# Altium PCB Kit ELO_DEVMPDv1.PcbDoc (continued)
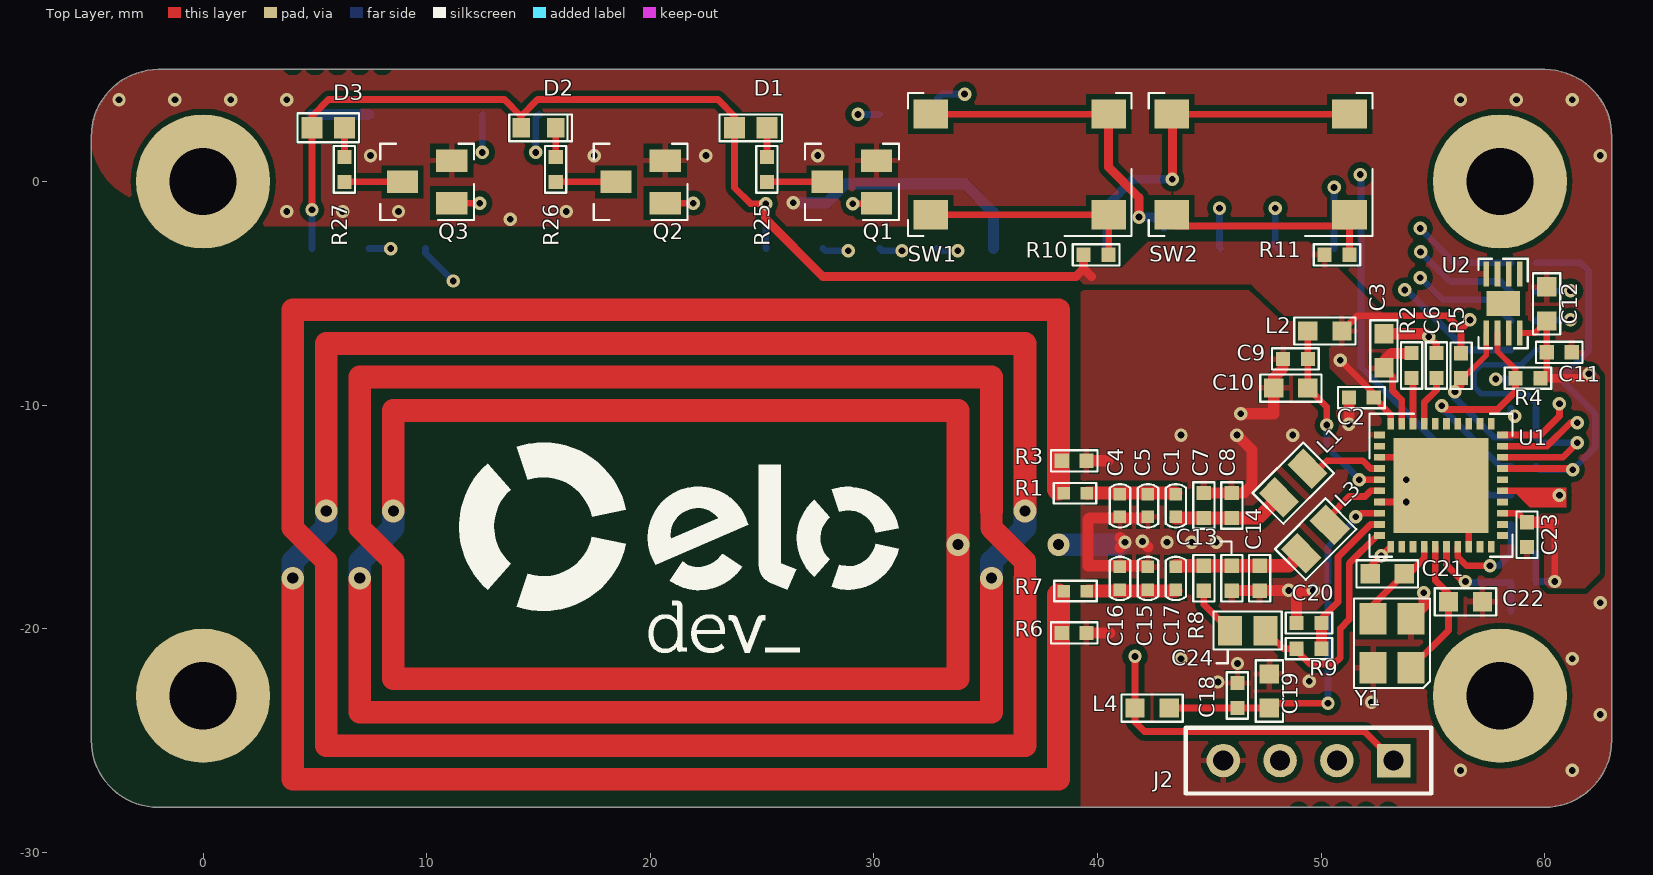
[diagram p0: Top Layer view]
## Part data (continued)
D2: library part "LED BLUE CLEAR 0603 SMD", "LED BLUE CLEAR 0603 SMD", Current - Test=5mA, Lens Color=Colorless, Manufacturer="Lite-On Inc.", Manufacturer Part Number=LTST-C193TBKT-5A, Millicandela Rating=15mcd, Package / Case="0603 (1608 Metric)", Supplier Part Number 1=160-1827-2-ND, Voltage - Forward (Vf) (Typ)=2.8V, Category=Optoelectronics, Color=Blue, ComponentLink1Description=http://optoelectronics.liteon.com/upload/download/DS22-2004-060/P_100_LTST-C193TBKT-5A.pdf, ComponentLink1URL=http://optoelectronics.liteon.com/upload/download/DS22-2004-060/P_100_LTST-C193TBKT-5A.pdf, Features=-, Height (Max)=0.35mm, Lens Style/Size="Rectangle with Flat Top, 1.15mm x 0.80mm", Lens Transparency=Clear, Mounting Type="Surface Mount", Packaging="Tape & Reel (TR)", Part Status=Active, Pricing 1="3000=0.0678, 6000=0.06102, 15000=0.05424, 30000=0.05085, 75000=0.04577, 150000=0.04407 (USD)", RoHS="RoHS Compliant", Size / Dimension="1.60mm L x 0.80mm W", Stock 1=705000, Supplier 1=Digi-Key, Viewing Angle=130°, Wavelength - Dominant=470nm, Wavelength - Peak=468nm
D3: library part "LED YELLOW CLEAR 0603 SMD(LTST-C191KSKT)", "LED YELLOW CLEAR 0603 SMD", Current - Test=20mA, Lens Color=Colorless, Manufacturer="Lite-On Inc.", Manufacturer Part Number=LTST-C191KSKT, Millicandela Rating=104mcd, Package / Case="0603 (1608 Metric)", Supplier Part Number 1=160-1448-2-ND, Voltage - Forward (Vf) (Typ)=2.1V, Category=Optoelectronics, Color=Yellow, ComponentLink1Description=http://optoelectronics.liteon.com/upload/download/DS22-2000-224/S_110_LTST-C191KSKT.pdf, ComponentLink1URL=http://optoelectronics.liteon.com/upload/download/DS22-2000-224/S_110_LTST-C191KSKT.pdf, Features=-, Height (Max)=0.55mm, Lens Style/Size="Rectangle with Flat Top, 1.10mm x 0.80mm", Lens Transparency=Clear, Mounting Type="Surface Mount", Packaging="Tape & Reel (TR)", Part Status=Active, Pricing 1="5000=0.043, 10000=0.0387, 25000=0.0344, 50000=0.03118, 125000=0.02903 (USD)", RoHS="RoHS Compliant", Size / Dimension="1.60mm L x 0.80mm W", Stock 1=555000, Supplier 1=Digi-Key, Viewing Angle=130°, Wavelength - Dominant=591nm, Wavelength - Peak=588nm
J1: library part "CONN FEMALE 40POS DL .1\" TIN SMD", "CONN FEMALE 40POS DL .1\" TIN SMD", Current Rating=3A, Insulation Color=Black, Manufacturer="Sullins Connector Solutions", Material Flammability Rating="UL94 V-0", Operating Temperature="-40°C ~ 125°C", Supplier Part Number 1=S5690-ND, Voltage Rating=250V, Applications=-, Category="Connectors, Interconnects", ComponentLink1Description=https://drawings-pdf.s3.amazonaws.com/10488.pdf, ComponentLink1URL=https://drawings-pdf.s3.amazonaws.com/10488.pdf, Connector Type=Header, Contact Finish - Mating=Tin, Contact Finish - Post=Tin, Contact Finish Thickness - Mating=-, Contact Finish Thickness - Post=-, Contact Length - Post=-, Contact Material="Phosphor Bronze", Contact Shape=Square, Contact Type="Female Socket", Fastening Type=Push-Pull, Features=-, Ingress Protection=-, Insulation Height="0.299\" (7.60mm)", Insulation Material="Polyamide (PA6T), Nylon 6T", Manufacturer Part Number=NPTC202KFMS-RC, Mated Stacking Heights=-, Mounting Type="Surface Mount", Number of Positions=40, Number of Positions Loaded=All, Packaging=Tube, Part Status=Active, Pitch - Mating="0.100\" (2.54mm)", Pricing 1="1=3.52, 10=3.38, 100=2.817, 500=2.39446, 1000=2.04233 (USD)", RoHS="RoHS Compliant", Row Spacing - Mating="0.100\" (2.54mm)", Stock 1=1633, Style="Board to Board", Supplier 1=Digi-Key, Termination=Solder
J2: Color=Black, Manufacturer="Amphenol FCI", Manufacturer Part Number=68002-404HLF, Supplier Part Number 1=609-3305-ND, Category="Connectors, Interconnects", ComponentLink1Description=http://portal.fciconnect.com/Comergent//fci/drawing/68000.pdf, ComponentLink1URL=http://portal.fciconnect.com/Comergent//fci/drawing/68000.pdf, Connector Type="Header, Unshrouded", Contact Finish=Tin, Contact Finish Thickness="100µin (2.54µm)", Contact Mating Length="0.230\" (5.84mm)", Contact Type="Male Pin", Fastening Type=-, Features=-, Mounting Type="Through Hole", Number of Positions=4, Number of Positions Loaded=All, Number of Rows=1, Packaging=Bulk, Part Status=Active, Pitch="0.100\" (2.54mm)", Pricing 1="1=0.2, 10=0.186, 100=0.129, 500=0.10912, 1000=0.08928, 5000=0.07936, 10000=0.07192 (USD)", RoHS="RoHS Compliant", Row Spacing=-, Stock 1=3220, Supplier 1=Digi-Key, Termination=Solder
L1 L3: library part "FIXED IND 560NH 240MA 3.1 OHM", "FIXED IND 560NH 240MA 3.1 OHM", DC Resistance (DCR)="3.1 Ohm Max", Manufacturer="Pulse Electronics Network", Manufacturer Part Number=PE-0805CM561JTT, Operating Temperature="-40°C ~ 125°C", Package / Case="0805 (2012 Metric)", Q @ Freq="40 @ 100MHz", Ratings=-, Supplier Part Number 1=553-1047-2-ND, Tolerance=±5%, Category="Inductors, Coils, Chokes", ComponentLink1Description=http://productfinder.pulseeng.com/products/datasheets/WC701.pdf, ComponentLink1URL=http://productfinder.pulseeng.com/products/datasheets/WC701.pdf, Height - Seated (Max)="0.062\" (1.58mm)", Inductance=560nH, Material - Core=Ceramic, Mounting Type="Surface Mount", Packaging="Tape & Reel (TR)", Part Status=Active, Pricing 1="2000=0.144, 4000=0.136, 6000=0.128, 10000=0.124, 50000=0.116 (USD)", RoHS="RoHS Compliant", Shielding=Unshielded, Size / Dimension="0.090\" L x 0.066\" W (2.29mm x 1.68mm)", Stock 1=2000, Supplier 1=Digi-Key, Supplier Device Package="0805 (2012 Metric)", Type=Wirewound
L2 L4: library part "FERRITE BEAD 120 OHM 0603 1LN", "FERRITE BEAD 120 OHM 0603 1LN", Current Rating (Max)=600mA, DC Resistance (DCR) (Max)="150 mOhm", Impedance @ Frequency="120 Ohm @ 100MHz", Manufacturer="TDK Corporation", Operating Temperature="-55°C ~ 125°C", Package / Case="0603 (1608 Metric)", Ratings=-, Supplier Part Number 1=445-2164-2-ND, Category=Filters, ComponentLink1Description=https://product.tdk.com/info/en/catalog/datasheets/beads_commercial_signal_mmz1608_en.pdf, ComponentLink1URL=https://product.tdk.com/info/en/catalog/datasheets/beads_commercial_signal_mmz1608_en.pdf, Filter Type="Signal Line", Height (Max)="0.030\" (0.75mm)", Manufacturer Part Number=MMZ1608B121CTAH0, Mounting Type="Surface Mount", Number of Lines=1, Packaging="Tape & Reel (TR)", Part Status=Active, Pricing 1="4000=0.0192, 8000=0.0174, 12000=0.0168, 28000=0.0156, 100000=0.01542 (USD)", RoHS="RoHS Compliant", Size / Dimension="0.063\" L x 0.032\" W (1.60mm x 0.80mm)", Stock 1=100000, Supplier 1=Digi-Key
Q1 Q2 Q3: library part "MOSFET N-CH 50V 200MA SOT-23", "MOSFET N-CH 50V 200MA SOT-23", Current - Continuous Drain (Id) @ 25°C="200mA (Ta)", Drive Voltage (Max Rds On,  Min Rds On)=5V, Input Capacitance (Ciss) (Max) @ Vds="50pF @ 25V", Manufacturer="ON Semiconductor", Operating Temperature="-55°C ~ 150°C (TJ)", Package / Case="TO-236-3, SC-59, SOT-23-3", Power Dissipation (Max)="225mW (Ta)", Supplier Device Package="SOT-23-3 (TO-236)", Supplier Part Number 1=BSS138LT3GOSTR-ND, Category="Discrete Semiconductor Products", ComponentLink1Description=http://www.onsemi.com/pub/Collateral/BSS138LT1-D.PDF, ComponentLink1URL=http://www.onsemi.com/pub/Collateral/BSS138LT1-D.PDF, FET Feature=-, FET Type=N-Channel, Gate Charge (Qg) (Max) @ Vgs=-, Manufacturer Part Number=BSS138LT3G, Mounting Type="Surface Mount", Packaging="Tape & Reel (TR)", Part Status=Active, Pricing 1="10000=0.03273 (USD)", Rds On (Max) @ Id, Vgs="3.5 Ohm @ 200mA, 5V", RoHS="RoHS Compliant", Stock 1=100000, Supplier 1=Digi-Key, Technology="MOSFET (Metal Oxide)", Vgs (Max)=±20V, Vgs(th) (Max) @ Id="1.5V @ 1mA"
R1 R7: library part "0.5R 1% 0402 TKF 1/16W", "RES 0.5 OHM 1% 1/16W 0402", Supplier Part Number 1=311-.5PCT-ND, Tolerance=1%, Creation Date=2018/01/10, Size=0402, Supplier 1=Digi-Key, Supplier 2=Mouser, Supplier Part Number 2=603-RL0402FR070R5L, User="Jean Pierre", Version=V01
R2 R12 R19: library part "RES SMD 10K OHM 1% 1/16W 0402", "RES SMD 10K OHM 1% 1/16W 0402", Manufacturer=Yageo, Manufacturer Part Number=RC0402FR-0710KL, Operating Temperature="-55°C ~ 155°C", Package / Case="0402 (1005 Metric)", Power (Watts)="0.063W, 1/16W", Supplier Device Package=0402, Supplier Part Number 1=311-10.0KLRTR-ND, Temperature Coefficient=±100ppm/°C, Tolerance=±1%, Category=Resistors, ComponentLink1Description=http://www.yageo.com/documents/recent/PYu-RC_Group_51_RoHS_L_7.pdf, ComponentLink1URL=http://www.yageo.com/documents/recent/PYu-RC_Group_51_RoHS_L_7.pdf, Composition="Thick Film", Failure Rate=-, Features="Moisture Resistant", Height - Seated (Max)="0.016\" (0.40mm)", Packaging="Tape & Reel (TR)", Part Status=Active, Pricing 1="10000=0.00158, 30000=0.00138, 50000=0.00127, 100000=0.00124 (USD)", Resistence (Ohms)=10k, RoHS="RoHS Compliant", Size / Dimension="0.039\" L x 0.020\" W (1.00mm x 0.50mm)", Stock 1=11940000, Supplier 1=Digi-Key
R3 R6: library part "RES SMD 10K OHM 1% 1/16W 0402", Manufacturer=Yageo, Manufacturer Part Number=RC0402FR-0710KL, Operating Temperature="-55°C ~ 155°C", Package / Case="0402 (1005 Metric)", Power (Watts)="0.063W, 1/16W", Resistence (Ohms)=10k, Supplier Device Package=0402, Supplier Part Number 1=311-10.0KLRTR-ND, Temperature Coefficient=±100ppm/°C, Tolerance=±1%, Category=Resistors, ComponentLink1Description=http://www.yageo.com/documents/recent/PYu-RC_Group_51_RoHS_L_7.pdf, ComponentLink1URL=http://www.yageo.com/documents/recent/PYu-RC_Group_51_RoHS_L_7.pdf, Composition="Thick Film", Failure Rate=-, Features="Moisture Resistant", Height - Seated (Max)="0.016\" (0.40mm)", Packaging="Tape & Reel (TR)", Part Status=Active, Pricing 1="10000=0.00158, 30000=0.00138, 50000=0.00127, 100000=0.00124 (USD)", RoHS="RoHS Compliant", Size / Dimension="0.039\" L x 0.020\" W (1.00mm x 0.50mm)", Stock 1=11940000, Supplier 1=Digi-Key
R4 R5 R10 R11: library part "RES SMD 4.7K OHM 5% 1/10W 0402", "RES SMD 4.7K OHM 5% 1/10W 0402", Manufacturer="Panasonic Electronic Components", Manufacturer Part Number=ERJ-2GEJ472X, Operating Temperature="-55°C ~ 155°C", Package / Case="0402 (1005 Metric)", Power (Watts)="0.1W, 1/10W", Supplier Device Package=0402, Supplier Part Number 1=P4.7KJTR-ND, Temperature Coefficient=±200ppm/°C, Tolerance=±5%, Category=Resistors, ComponentLink1Description=http://industrial.panasonic.com/www-cgi/jvcr13pz.cgi?E+PZ+3+AOA0001+ERJ2GEJ472X+7+WW, ComponentLink1URL=http://industrial.panasonic.com/www-cgi/jvcr13pz.cgi?E+PZ+3+AOA0001+ERJ2GEJ472X+7+WW, Composition="Thick Film", Failure Rate=-, Features="Automotive AEC-Q200", Height - Seated (Max)="0.016\" (0.40mm)", Number of Terminations=2, Packaging="Tape & Reel (TR)", Part Status=Active, Pricing 1="10000=0.00198, 30000=0.00174, 50000=0.0016, 100000=0.00156 (USD)", Resistance (Ohms)=4.7k, RoHS="RoHS Compliant", Size / Dimension="0.039\" L x 0.020\" W (1.00mm x 0.50mm)", Stock 1=8580000, Supplier 1=Digi-Key
R8: library part "RES SMD 1.69K OHM 1% 1/16W 0402", "RES SMD 1.69K OHM 1% 1/16W 0402", Manufacturer=Yageo, Manufacturer Part Number=RC0402FR-071K69L, Operating Temperature="-55°C ~ 155°C", Package / Case="0402 (1005 Metric)", Power (Watts)="0.063W, 1/16W", Supplier Device Package=0402, Supplier Part Number 1=YAG3044TR-ND, Temperature Coefficient=±100ppm/°C, Tolerance=±1%, Category=Resistors, ComponentLink1Description=http://www.yageo.com/documents/recent/PYu-RC_Group_51_RoHS_L_7.pdf, ComponentLink1URL=http://www.yageo.com/documents/recent/PYu-RC_Group_51_RoHS_L_7.pdf, Composition="Thick Film", Failure Rate=-, Features="Moisture Resistant", Height - Seated (Max)="0.016\" (0.40mm)", Packaging="Tape & Reel (TR)", Part Status=Active, Pricing 1="10000=0.0014, 30000=0.00123, 50000=0.00113, 100000=0.00111 (USD)", Resistance (Ohms)=1.69k, RoHS="RoHS Compliant", Size / Dimension="0.039\" L x 0.020\" W (1.00mm x 0.50mm)", Stock 1=310000, Supplier 1=Digi-Key
R9: library part "RES SMD 1K OHM 5% 1/16W 0402", "RES SMD 1K OHM 5% 1/16W 0402", Manufacturer=Yageo, Manufacturer Part Number=RC0402JR-071KL, Operating Temperature="-55°C ~ 155°C", Package / Case="0402 (1005 Metric)", Power (Watts)="0.063W, 1/16W", Supplier Device Package=0402, Supplier Part Number 1=311-1.0KJRTR-ND, Temperature Coefficient=±100ppm/°C, Tolerance=±5%, Category=Resistors, ComponentLink1Description=http://www.yageo.com/documents/recent/PYu-RC_Group_51_RoHS_L_6.pdf, ComponentLink1URL=http://www.yageo.com/documents/recent/PYu-RC_Group_51_RoHS_L_6.pdf, Composition="Thick Film", Failure Rate=-, Features="Moisture Resistant", Height - Seated (Max)="0.016\" (0.40mm)", Packaging="Tape & Reel (TR)", Part Status=Active, Pricing 1="10000=0.00121, 30000=0.00106, 50000=0.00097, 100000=0.00095 (USD)", Resistance (Ohms)=1k, RoHS="RoHS Compliant", Size / Dimension="0.039\" L x 0.020\" W (1.00mm x 0.50mm)", Stock 1=2860000, Supplier 1=Digi-Key
R13 R16 R17 R18 R20 R21 R23 R24: library part "RES SMD 0.0OHM JUMPER 1/16W 0402", "RES SMD 0.0OHM JUMPER 1/16W 0402", Manufacturer="Rohm Semiconductor", Manufacturer Part Number=MCR01MZPJ000, Operating Temperature="-55°C ~ 155°C", Package / Case="0402 (1005 Metric)", Power (Watts)="0.063W, 1/16W", Resistance (Ohms)=0.0, Supplier Device Package=0402, Supplier Part Number 1=RHM0.0JTR-ND, Temperature Coefficient=-, Tolerance=Jumper, Category=Resistors, ComponentLink1Description=http://rohmfs.rohm.com/en/products/databook/datasheet/passive/resistor/chip_resistor/mcr.pdf, ComponentLink1URL=http://rohmfs.rohm.com/en/products/databook/datasheet/passive/resistor/chip_resistor/mcr.pdf, Composition="Thick Film", Failure Rate=-, Features="Automotive AEC-Q200", Height - Seated (Max)="0.016\" (0.40mm)", Number of Terminations=2, Packaging="Tape & Reel (TR)", Part Status=Active, Pricing 1="10000=0.00198, 30000=0.00174, 50000=0.0016, 100000=0.00156 (USD)", RoHS="RoHS Compliant", Size / Dimension="0.039\" L x 0.020\" W (1.00mm x 0.50mm)", Stock 1=0, Supplier 1=Digi-Key
R14 R15 R22: library part "RES SMD 0.0OHM JUMPER 1/16W 0402", "RES SMD 0.0OHM JUMPER 1/16W 0402", Manufacturer="Rohm Semiconductor", Manufacturer Part Number=MCR01MZPJ000, Operating Temperature="-55°C ~ 155°C", Package / Case="0402 (1005 Metric)", Power (Watts)="0.063W, 1/16W", Supplier Device Package=0402, Supplier Part Number 1=RHM0.0JTR-ND, Temperature Coefficient=-, Tolerance=Jumper, Category=Resistors, ComponentLink1Description=http://rohmfs.rohm.com/en/products/databook/datasheet/passive/resistor/chip_resistor/mcr.pdf, ComponentLink1URL=http://rohmfs.rohm.com/en/products/databook/datasheet/passive/resistor/chip_resistor/mcr.pdf, Composition="Thick Film", Failure Rate=-, Features="Automotive AEC-Q200", Height - Seated (Max)="0.016\" (0.40mm)", Number of Terminations=2, Packaging="Tape & Reel (TR)", Part Status=Active, Pricing 1="10000=0.00198, 30000=0.00174, 50000=0.0016, 100000=0.00156 (USD)", Resistance (Ohms)=0.0, RoHS="RoHS Compliant", Size / Dimension="0.039\" L x 0.020\" W (1.00mm x 0.50mm)", Stock 1=0, Supplier 1=Digi-Key
R25 R26 R27: library part "RES SMD 68 OHM 5% 1/10W 0402", "RES SMD 68 OHM 5% 1/10W 0402", Manufacturer="Panasonic Electronic Components", Manufacturer Part Number=ERJ-2GEJ680X, Operating Temperature="-55°C ~ 155°C", Package / Case="0402 (1005 Metric)", Power (Watts)="0.1W, 1/10W", Supplier Device Package=0402, Supplier Part Number 1=P68JTR-ND, Temperature Coefficient=±200ppm/°C, Tolerance=±5%, Category=Resistors, ComponentLink1Description=http://industrial.panasonic.com/www-cgi/jvcr13pz.cgi?E+PZ+3+AOA0001+ERJ2GEJ680X+7+WW, ComponentLink1URL=http://industrial.panasonic.com/www-cgi/jvcr13pz.cgi?E+PZ+3+AOA0001+ERJ2GEJ680X+7+WW, Composition="Thick Film", Failure Rate=-, Features="Automotive AEC-Q200", Height - Seated (Max)="0.016\" (0.40mm)", Packaging="Tape & Reel (TR)", Part Status=Active, Pricing 1="10000=0.00204, 30000=0.00179, 50000=0.00164, 100000=0.00163 (USD)", Resistance (Ohms)=68, RoHS="RoHS Compliant", Size / Dimension="0.039\" L x 0.020\" W (1.00mm x 0.50mm)", Stock 1=20000, Supplier 1=Digi-Key
SW1 SW2: library part "SWITCH TACTILE SPST-NO 0.05A 12V (BLACK)", "SWITCH TACTILE SPST-NO 0.05A 12V", Contact Rating @ Voltage="0.05A @ 12VDC", Illumination Type, Color=-, Manufacturer=C&K, Operating Force=130gf, Operating Temperature="-20°C ~ 60°C", Supplier Part Number 1=CKN9088TR-ND, Actuator Height off PCB, Vertical=5.00mm, Actuator Length, Right Angle=-, Actuator Material="Polyamide (PA66), Nylon 6/6", Actuator Orientation="Top Actuated", Actuator Type=Standard, Category=Switches, Circuit=SPST-NO, ComponentLink1Description=http://www.ckswitches.com/media/1471/pts645.pdf, ComponentLink1URL=http://www.ckswitches.com/media/1471/pts645.pdf, Features=-, Illumination=Non-Illuminated, Illumination Voltage (Nominal)=-, Ingress Protection=-, Manufacturer Part Number="PTS645SL50SMTR92 LFS", Mechanical Life="100,000 Cycles", Mounting Type="Surface Mount", Outline="6.00mm x 6.00mm", Packaging="Tape & Reel (TR)", Part Status=Active, Pricing 1="1000=0.14044, 5000=0.11636 (USD)", RoHS="RoHS Compliant", Stock 1=39000, Supplier 1=Digi-Key, Switch Function=Off-Mom, Switch Travel=-, Termination Style="Gull Wing"
U1: "IC NFC NEAR FIELD CTLR 40HVQFN", Frequency=13.56MHz, Manufacturer="NXP USA Inc.", Operating Temperature="-30°C ~ 85°C", Package / Case="40-VFQFN Exposed Pad", Supplier Device Package="40-HVQFN (6x6)", Supplier Part Number 1=568-8600-ND, Category="RF/IF and RFID", ComponentLink1Description=http://www.nxp.com/documents/short_data_sheet/PN532_C1_SDS.pdf, ComponentLink1URL=http://www.nxp.com/documents/short_data_sheet/PN532_C1_SDS.pdf, Interface="I²C, SPI, UART", Manufacturer Part Number=PN5321A3HN/C106;55, Packaging=Tray, Part Status=Active, Pricing 1="1=11.48, 10=10.522, 25=9.5652, 100=8.6088, 250=7.89144, 500=7.17404, 1000=6.45663 (USD)", RoHS="RoHS Compliant", Standards="FeliCa, ISO 14443, MIFARE, NFC", Stock 1=935, Supplier 1=Digi-Key, Type="RFID Reader/Transponder"
U2: library part "ATECC508A-MAHDA-S (2)", "AUTHENTICATION CHIP I2C 8-UDFN", Manufacturer="Microchip Technology", Package / Case="8-UFDFN Exposed Pad", Supplier Device Package="8-UDFN (2x3)", Supplier Part Number 1=ATECC508A-MAHDA-STR-ND, Applications="Networking and Communications", Category="Integrated Circuits (ICs)", ComponentLink1Description=http://www.microchip.com/mymicrochip/filehandler.aspx?ddocname=en590686, ComponentLink1URL=http://www.microchip.com/mymicrochip/filehandler.aspx?ddocname=en590686, Manufacturer Part Number=ATECC508A-MAHDA-S, Mounting Type="Surface Mount", Packaging="Tape & Reel (TR)", Part Status=Active, Pricing 1="3000=0.69825 (USD)", RoHS="RoHS Compliant", Stock 1=48000, Supplier 1=Digi-Key, Type="Authentication Chip"
Y1: library part "CRYSTAL 27.1200MHZ 10PF SMD", "CRYSTAL 27.1200MHZ 10PF SMD", ESR (Equivalent Series Resistance)="60 Ohm", Frequency Stability=±10ppm, Load Capacitance=10pF, Manufacturer="TXC CORPORATION", Manufacturer Part Number=7M-27.120MEEQ-T, Operating Mode=Fundamental, Operating Temperature="-20°C ~ 70°C", Package / Case="4-SMD, No Lead", Ratings=-, Supplier Part Number 1=887-1329-1-ND, Category="Crystals, Oscillators, Resonators", ComponentLink1Description=http://www.txccrystal.com/images/pdf/7m-accuracy.pdf, ComponentLink1URL=http://www.txccrystal.com/images/pdf/7m-accuracy.pdf, Frequency=27.12MHz, Frequency Tolerance=±10ppm, Height - Seated (Max)="0.032\" (0.80mm)", Mounting Type="Surface Mount", Packaging="Cut Tape (CT)", Part Status=Active, Pricing 1="1=1.29, 10=1.139, 50=1.0642, 100=0.9405, 500=0.891, 1000=0.7425 (USD)", RoHS="RoHS Compliant", Size / Dimension="0.126\" L x 0.098\" W (3.20mm x 2.50mm)", Stock 1=31663, Supplier 1=Digi-Key, Type="MHz Crystal"

## Free pads (board coordinates)
  round 0.4 hole 0.5 unplated: 1(-5.241,-14.992) 1(-5.241,-13.992) 1(-5.241,-12.992) 1(-5.241,-11.992) 1(-5.241,-10.992) 1(4.009,5.258) 1(5.009,5.258) 1(6.009,5.258) 1(7.009,5.258) 1(8.009,5.258) 1(49.009,-28.242) 1(50.009,-28.242) 1(51.009,-28.242) 1(52.009,-28.242) 1(53.009,-28.242)
  round 6 hole 3: ""(0,-23) ""(0,0) ""(58,-23) ""(58,0)

## Via types
v1: diameter 0.6, hole 0.3, Top Layer to Bottom Layer, tented both sides, 91 vias
v2: diameter 1.016, hole 0.5, Top Layer to Bottom Layer, tented both sides, 7 vias
v3: diameter 1, hole 0.5, Top Layer to Bottom Layer, tented both sides, 1 vias

## Nets (pads, with @x,y where several pads share a name; then routed paths per layer and width w, separated by ;. In a path a pad name is that pad's centre, name@x,y a point inside that pad or via, vN(x,y) a via of type N, cw(c..) or ccw(c..) an arc to the next point about the centre after c; other vN are vias at no path point)
5V: J1.2 J1.4 | length 2.5
  Bottom Layer w0.5: J1.2 J1.4
ANTENNA: R1.1 R3.2 R6.1 R7.2 | length 369
  Top Layer w1: 4.009,-14.742 4.009,-15.492 5.509,-16.992 5.509,-17.742 ; 7.009,-14.742 7.009,-15.492 8.509,-16.992 8.509,-17.742 ; 35.259,-14.742 35.259,-15.492 36.759,-16.992 36.759,-17.742
  Top Layer w1.016: v2(4.009,-17.742) 4.009,-26.742 38.259,-26.742 R7.2@38.259,-18.492 ; 4.009,-14.742 4.009,-5.742 38.259,-5.742 R1.1@38.259,-13.767 ; 5.509,-17.742 5.509,-25.242 36.759,-25.242 36.759,-17.742 ; v2(5.509,-14.742) 5.509,-7.242 36.759,-7.242 v2(36.759,-14.742) ; v2(7.009,-17.742) 7.009,-23.742 35.259,-23.742 v2(35.259,-17.742) ; 7.009,-14.742 7.009,-8.742 35.259,-8.742 35.259,-14.742 ; 8.509,-17.742 8.509,-22.242 33.759,-22.242 v2(33.759,-16.242) 33.759,-10.242 8.509,-10.242 v2(8.509,-14.742)
  Bottom Layer w1.016: v2(4.009,-17.742) 4.009,-16.992 5.509,-15.492 v2(5.509,-14.742) ; v2(7.009,-17.742) 7.009,-16.992 8.509,-15.492 v2(8.509,-14.742) ; v2(35.259,-17.742) 35.259,-16.992 36.759,-15.492 v2(36.759,-14.742)
AVDD: C18.2 C19.2 L4.1 U1.8 | length 17.2
  Top Layer w0.3: L4.1 C18.2 C19.2 47.888,-23.55 48.099,-23.339 v1(50.312,-23.339) ; v1(51.559,-14.992) 51.656,-14.992 51.811,-14.837 U1.8
  Bottom Layer w0.3: v1(50.312,-23.339) 50.312,-16.339 51.559,-15.092 v1(51.559,-14.992)
CS0: J1.24 R24.2 | length 30.5
  Signal Layer 1 w0.3: v1(34.059,3.908) 34.067,3.9 50.067,3.9 54.44,-0.473 v1(54.44,-2.1)
  Bottom Layer w0.3: J1.24 32.81,3.659 33.059,3.908 v1(34.059,3.908) ; v1(54.44,-2.1) 55.977,-3.637 R24.2
CS1: J1.26
EEPROM_SCL: J1.28
EEPROM_SDA: J1.27
GND: C2.1 C3.2 C4.1 C5.1 C6.1 C7.2 C8.1 C9.1 C10.1 C11.1 C12.2 C13.1 C14.2 C15.2 C16.2 C18.1 C19.1 C20.1 C21.1 C22.1 C23.1 J1.6 J1.9 J1.14 J1.20 J1.25 J1.30 J1.34 J1.39 J2.4 Q1.2 Q2.2 Q3.2 R3.1 R6.2 R18.1 R19.1 U1.1 U1.3 U1.7 U1.11 U1.18 U1.TP U2.4 Y1.2 Y1.4 | length 55.2
  Top Layer w0.3: C21.1 52.201,-17.224 v1(52.688,-16.737) 52.713,-16.737 U1.11 ; U1.7 v1(53.813,-14.337) 54.613,-14.337 U1.TP ; U1.3 54.113,-12.337 U1.TP ; v1(54.821,-6.95) 55.163,-7.292 C6.1 ; U1.18 56.613,-14.837 U1.TP ; C23.1 C23.1@59.295,-16.437
  Top Layer w0.5: R6.2 40.559,-20.192 ; R3.1 40.459,-12.492 ; 41.009,-16.367 v1(41.234,-16.142) 41.009,-15.917 ; v1(42.013,-16.1) 42.259,-16.346 ; C15.2@42.259,-17.183 39.584,-17.183 39.584,-15.117 39.65,-15.051 C5.1@42.259,-15.051 ; C7.2 C8.1 46.543,-13.933 46.909,-13.567 46.909,-12.012 v1(46.239,-11.342) ; C13.1 C14.2 48.55,-18.301 v1(48.559,-18.292) v1(49.659,-18.292) v1@49.759,-18.292 ; v1(46.409,-10.392) 47.884,-10.392 47.889,-10.387 C10.1 47.889,-8.762 48.295,-8.356 C9.1 ; C20.1 48.904,-18.647 ; v1(51.245,-10.863) C2.1 ; C3.2 54.684,-6.813 v1(54.821,-6.95) ; Y1.2 54.6,-18.975 v1(54.6,-18.4)
  Bottom Layer w0.5: v1(26.4,-0.95) 27.9,-0.95 28.75,-0.1 34.05,-0.1 35.35,-1.4 J1.25
  Bottom Layer w1: v3(38.259,-16.242) v1@41.009,-16.242
  other v1: 56.239,-26.342 61.239,-26.342 62.489,-23.842 52.259,-23.292 45.388,-22.387 49.476,-22.35 46.263,-21.557 43.739,-21.342 61.239,-21.342 62.489,-18.842 43.113,-16.137 44.213,-16.137 45.313,-16.137 53.813,-13.337 43.739,-11.342 48.739,-11.342 13.734,-1.692 3.739,-1.342 6.239,-1.342 8.739,-1.342 16.239,-1.342 7.489,1.158 17.489,1.158 22.489,1.158 27.489,1.158 62.489,1.158 -3.761,3.658 -1.261,3.658 1.239,3.658 3.739,3.658 56.239,3.658 58.739,3.658 61.239,3.658
GP11: J1.11
GP12: J1.12
GP13: J1.13
GP15: J1.15
GP16: J1.16
GP18: J1.18
GP22: J1.22 R22.2 | length 42.3
  Signal Layer 1 w0.3: v1(29.29,3) 31.09,1.2 50.867,1.2 v1(51.759,0.308)
  Bottom Layer w0.3: v1(29.29,3) J1.22 ; v1(51.759,0.308) 51.79,0.277 51.79,-8.3 57.527,-14.037 R22.2
GP29: J1.29 SW2.3 SW2.4 | length 16.2
  Top Layer w0.3: SW2.4 SW2.3
  Top Layer w0.4: SW2.4 43.35,2.988 v1(43.35,0.1)
  Bottom Layer w0.4: J1.29 40.43,-1.06 41.59,0.1 v1(43.35,0.1)
GP31: J1.31 SW1.3 SW1.4 | length 14.4
  Top Layer w0.3: SW1.4 SW1.3
  Top Layer w0.4: SW1.3 40.5,0.64 41.859,-0.719 v1(41.859,-1.592)
  Bottom Layer w0.4: v1(41.859,-1.592) 42.532,-1.592 J1.31@42.97,-2.03
GP32: J1.32
GP36: J1.36
GP38: J1.38
GP40: J1.40
GPIO_GCLK: J1.7
IRQ: R22.1 U1.25 | length 3.7
  Top Layer w0.3: U1.25 60.463,-13.837 v1(60.663,-14.037)
  Bottom Layer w0.3: R22.1 v1(60.663,-14.037)
L_MISO: J1.21 R21.2 | length 29.6
  Signal Layer 1 w0.3: v1(31.259,-3.092) 31.282,-3.092 32.04,-3.85 53.99,-3.85 v1(54.44,-4.3)
  Bottom Layer w0.3: J1.21 30.362,-3.092 v1(31.259,-3.092) ; v1(54.44,-4.3) 55.432,-5.292 57.55,-5.292 R21.2
L_SCK: J1.23 R23.2 | length 26.5
  Signal Layer 1 w0.3: v1(33.759,-3.092) 33.817,-3.15 v1(54.453,-3.15)
  Bottom Layer w0.3: J1.23 32.902,-3.092 v1(33.759,-3.092) ; v1(54.453,-3.15) 55.777,-4.474 58.032,-4.474 R23.2
LED_BLUE: J1.35 Q2.1 | length 30.5
  Top Layer w0.3: Q2.1 v1(21.92,-0.968)
  Signal Layer 1 w0.3: v1(21.92,-0.968) 22.696,-0.192 41.492,-0.192 42.492,-1.192 44.384,-1.192 45.159,-0.417 46.184,-0.417 46.959,-1.192 v1(47.959,-1.192)
  Bottom Layer w0.3: v1(47.959,-1.192) 47.959,-2.909 J1.35
LED_RED: J1.33 Q1.1 | length 20.4
  Top Layer w0.3: v1(29.059,-0.992) 30.096,-0.992 Q1.1
  Signal Layer 1 w0.3: v1(29.059,-0.992) 40.159,-0.992 41.559,-2.392 44.259,-2.392 v1(45.459,-1.192)
  Bottom Layer w0.3: v1(45.459,-1.192) 45.459,-2.949 J1.33
LED_YELLOW: J1.37 Q3.1 | length 43.9
  Top Layer w0.3: Q3.1 v1(12.37,-0.968)
  Signal Layer 1 w0.3: v1(12.37,-0.968) 13.746,0.408 41.792,0.408 42.8,-0.6 43.951,-0.6 44.959,0.408 49.909,0.408 v1(50.584,-0.267)
  Bottom Layer w0.3: v1(50.584,-0.267) 50.584,-2.994 J1.37
MISO: R21.1 U1.29 | length 10.1
  Top Layer w0.3: U1.29 60.113,-11.837 61.159,-10.792 v1(61.459,-10.792)
  Signal Layer 1 w0.3: v1(61.159,-6.192) 61.159,-8.9 61.459,-9.2 v1(61.459,-10.792)
  Bottom Layer w0.3: R21.1 59.659,-6.192 v1(61.159,-6.192)
MOSI: J1.19 R20.2 | length 32.7
  Signal Layer 1 w0.3: v1(28.859,-3.092) 30.267,-4.5 53.467,-4.5 53.75,-4.783 v1(53.75,-4.85)
  Bottom Layer w0.3: J1.19 27.822,-3.092 v1(28.859,-3.092) ; v1(53.75,-4.85) 53.817,-4.85 56.505,-7.537 R20.2
MOSI/SDA: R14.1 R16.1 R20.1 U1.28 | length 14
  Top Layer w0.3: U1.28 60.813,-12.337 v1(61.459,-11.692)
  Bottom Layer w0.25: R16.1 59.613,-9.923 59.185,-9.495 57.162,-9.495 56.859,-9.192 56.859,-8.492 57.156,-8.195 58.955,-8.195 R20.1
  Bottom Layer w0.3: R16.1 R14.1 59.867,-11.692 v1(61.459,-11.692) ; R20.1@59.613,-7.55 R20.1
NetC1_1: C1.1 C7.1 C8.2 L1.2 | length 5
  Top Layer w0.3: C1.1@43.509,-15.051 C1.1@43.52,-15.04
  Top Layer w0.6: C1.1@43.509,-15.051 C7.1 C8.2 47.2,-15.051 48.121,-14.13 L1.2@48.123,-14.128
NetC9_2: C9.2 C10.2 L2.1 U1.5 | length 8.5
  Top Layer w0.3: L2.1 C9.2 C10.2 50.259,-10.083 v1(50.259,-10.892) ; v1(51.713,-13.337) U1.5
  Bottom Layer w0.3: v1(50.259,-10.892) 50.259,-11.883 v1(51.713,-13.337)
NetC13_2: C13.2 C14.1 C17.2 L3.2 R8.2 | length 5.9
  Top Layer w0.3: C17.2@43.509,-17.183 C17.2@43.561,-17.235 ; L3.2@49.121,-16.63 L3.2@49.123,-16.628
  Top Layer w0.6: C17.2@43.509,-17.183 R8.2 C13.2 C14.1 48.568,-17.183 L3.2@49.121,-16.63
NetC21_2: C21.2 U1.14 Y1.3 | length 4.3
  Top Layer w0.3: Y1.3 52.324,-18.951 C21.2 53.93,-17.55 54.613,-16.867 U1.14
NetC22_2: C22.2 U1.15 Y1.1 | length 6.4
  Top Layer w0.3: Y1.1 55.7,-20.075 C22.2 55.7,-18.433 55.113,-17.846 U1.15
NetC24_2: C24.2 R8.1 | length 2.3
  Top Layer w0.3: R8.1 44.759,-18.919 C24.2
NetD1_2: D1.2 R25.1 | length 1.3
  Top Layer w0.3: R25.1 D1.2
NetD2_2: D2.2 R26.1 | length 1.3
  Top Layer w0.3: R26.1 D2.2
NetD3_2: D3.2 R27.1 | length 1.3
  Top Layer w0.3: R27.1 D3.2
NetQ1_3: Q1.3 R25.2 | length 2.7
  Top Layer w0.3: R25.2 Q1.3
NetQ2_3: Q2.3 R26.2 | length 2.7
  Top Layer w0.3: R26.2 Q2.3
NetQ3_3: Q3.3 R27.2 | length 2.6
  Top Layer w0.3: R27.2 Q3.3
NetR10_1: R10.1 SW1.1 SW1.2 | length 9.7
  Top Layer w0.3: SW1.2 SW1.1 R10.1
NetR11_1: R11.1 SW2.1 SW2.2 | length 9.3
  Top Layer w0.3: SW2.2@43.325,-1.787 43.529,-1.992 51.275,-1.992 R11.1
NSS/SCL/RX: R15.1 R17.1 R24.1 U1.27 | length 18.9
  Top Layer w0.3: U1.27 61.205,-12.837 v1(61.259,-12.892)
  Bottom Layer w0.3: R15.1 59.767,-12.892 v1(61.259,-12.892) 62.259,-11.892 62.259,-10.383 60.713,-8.837 ; R17.1 60.713,-8.837 ; R24.1 61.605,-3.637 61.959,-3.992 61.959,-7.591 60.713,-8.837
P30/UART_RX: U1.24
P31: U1.31
P32: U1.32
P33: U1.33
P34/SIC_CLK: U1.34
RSTOUT_N: U1.26
RSTPD_N: R2.2 U1.38 | length 2
  Top Layer w0.3: U1.38 R2.2@54.113,-8.863
RX: C24.1 R9.1 U1.10 | length 10.7
  Top Layer w0.3: C24.1 48.325,-20.898 R9.1@48.704,-20.898 ; R9.1 R9.1@48.704,-20.898 ; U1.10 52.513,-15.837 51.259,-17.092 51.259,-19.592 50.863,-19.988 50.863,-21.288 50.563,-21.587 49.513,-21.587 49.063,-21.137 49.063,-20.856 48.746,-20.856 R9.1@48.704,-20.898
SCK: R23.1 U1.30 | length 10.9
  Top Layer w0.3: U1.30 59.813,-11.337 60.663,-10.488 v1(60.663,-9.937)
  Signal Layer 1 w0.3: v1(60.663,-9.937) 59.913,-9.187 59.913,-6.037 61.059,-4.892 v1(61.159,-4.892)
  Bottom Layer w0.3: R23.1 59.659,-4.892 v1(61.159,-4.892)
SCL: J1.5 J2.3 R4.1 R15.2 U2.6 | length 78.3
  Top Layer w0.25: U2.6 57.895,-7.595 58.7,-8.4 R4.1
  Top Layer w0.3: v1(55.403,-10.025) 55.577,-10.2 57.9,-10.2 58.7,-9.4 R4.1
  Signal Layer 2 w0.3: v1(11.19,-4.45) 45.09,-4.45 50.665,-10.025 v1(55.403,-10.025) 55.403,-15.097 48.17,-22.33 J2.3
  Bottom Layer w0.3: J1.5 9.95,-3.21 v1(11.19,-4.45) ; v1(55.403,-10.025) 55.403,-10.136 58.005,-12.737 R15.2
SDA: J1.3 J2.2 R5.1 R14.2 U2.5 | length 76.8
  Top Layer w0.25: R5.1@56.363,-8.796 57.395,-7.764 U2.5
  Top Layer w0.3: v1(55.99,-9.4) 56.263,-9.127 R5.1 ; R5.1@56.363,-8.879 56.404,-8.837 R5.1@56.363,-8.796
  Signal Layer 2 w0.3: v1(8.39,-3) 11.74,-3 12.532,-3.792 45.582,-3.792 50.97,-9.18 55.77,-9.18 v1(55.99,-9.4) 56.053,-9.463 56.053,-15.447 51.05,-20.45 51.05,-25.56 J2.2
  Bottom Layer w0.3: J1.3 v1(8.39,-3) ; v1(55.99,-9.4) 55.99,-9.69 57.738,-11.437 R14.2
SEL0: R12.1 R18.2 U1.16 | length 5.3
  Top Layer w0.3: U1.16 55.613,-17.146 56.359,-17.892 v1(56.459,-17.892)
  Bottom Layer w0.3: v1(56.459,-17.892) 56.505,-17.937 R12.1 R18.2
SEL1: R13.1 R19.2 U1.17 | length 4.5
  Top Layer w0.3: U1.17 56.113,-16.787 56.517,-17.192 v1(57.559,-17.192)
  Bottom Layer w0.3: v1(57.559,-17.192) 57.941,-17.192 R13.1 R19.2
SIGIN: U1.36
SIGOUT: U1.35
SVDD: C6.2 U1.37 | length 2.3
  Top Layer w0.3: U1.37 54.613,-9.887 55.163,-9.337 C6.2
TX1: L1.1 U1.4 | length 3.5
  Top Layer w0.3: L1.1@49.395,-12.856 49.397,-12.854 49.895,-12.854 50.258,-12.492 51.872,-12.492 52.218,-12.837 U1.4 ; L1.1@49.895,-12.856 L1.1@49.897,-12.854
TX1_ANTENNA: C1.2 C4.2 C5.2 R1.2 | length 4
  Top Layer w0.6: R1.2@39.559,-13.942 39.568,-13.933 C1.2@43.509,-13.933
TX2: L3.1 U1.6 | length 3.1
  Top Layer w0.3: L3.1@50.397,-15.354 50.397,-14.954 51.259,-14.092 51.964,-14.092 52.218,-13.837 U1.6
TX2_ANTENNA: C15.1 C16.1 C17.1 R7.1 | length 3.9
  Top Layer w0.6: R7.1@39.568,-18.317 43.493,-18.317 C17.1@43.509,-18.301
UART_RX: J1.10 R17.2 | length 49.8
  Signal Layer 2 w0.3: v1(14.88,1.3) 17.922,-1.742 35.082,-1.742 35.732,-2.392 47.782,-2.392 53.282,-7.892 56.867,-7.892 v1(57.813,-8.837)
  Bottom Layer w0.3: v1(14.88,1.3) 14.88,2.85 J1.10 ; v1(57.813,-8.837) R17.2 R17.2@58.333,-9
UART_TX: J1.8 R16.2 | length 53.2
  Signal Layer 2 w0.3: v1(12.49,1.3) 16.09,-2.3 34.24,-2.3 34.94,-3 47.24,-3 52.732,-8.492 56.282,-8.492 58.282,-10.492 v1(58.659,-10.492)
  Bottom Layer w0.3: v1(12.49,1.3) J1.8 ; R16.2 58.495,-10.328 v1(58.659,-10.492)
VCC: C2.2 C3.1 C11.2 C12.1 C23.2 D1.1 D2.1 D3.1 J1.1 J1.17 J2.1 L2.2 L4.2 R2.1 R4.2 R5.2 R10.2 R11.2 R12.2 R13.2 U1.23 U1.39 U1.40 U2.8 | length 124.3
  Top Layer w0.25: U2.8 59.555,-6.777 C12.1
  Top Layer w0.3: v1(4.87,-1.27) D3.1 4.87,2.92 5.613,3.663 13.478,3.663 14.221,2.92 ; D2.1 14.221,2.92 ; v1(25.159,-0.992) 24.482,-0.992 23.77,-0.28 D1.1 23.77,2.92 23.027,3.663 14.964,3.663 14.221,2.92 ; v1(41.682,-21.242) L4.2 41.682,-24.182 42.1,-24.6 51.95,-24.6 J2.1 ; v1(50.859,-7.992) 52.363,-9.496 C2.2 53.113,-10.413 U1.40 ; L2.2 51.624,-6 55.64,-6 56.263,-6.623 ; C3.1 53.2,-8.724 53.2,-9.35 53.613,-9.763 U1.39 ; R5.2 56.263,-6.623 ; v1(56.659,-6.192) 56.659,-6.231 56.267,-6.623 56.263,-6.623 ; U1.23 58.813,-14.837 C23.2 ; R4.2 60.095,-8.522 C11.2 C12.1 ; 59.941,-15.237 60.459,-15.755 v1(60.459,-17.892)
  Top Layer w0.4: v1(25.159,-0.992) 25.159,-1.692 27.717,-4.25 39.039,-4.25 39.382,-3.907 ; R10.2 39.382,-3.907 ; 39.726,-4.25 39.382,-3.907 ; R4.2 61.79,-8.8 v1(61.99,-8.6)
  Top Layer w0.5: C3.1 52.813,-8.037 53.155,-7.695 54.025,-7.695 R2.1 ; C23.2 59.941,-15.237 60.405,-15.237
  Signal Layer 2 w0.4: v1(56.659,-6.192) 59.067,-8.6 v1(61.99,-8.6)
  Signal Layer 1 w0.5: v1(41.682,-21.242) 40.259,-19.819 40.259,-11.492 43.759,-7.992 v1(50.859,-7.992)
  Bottom Layer w0.3: J1.1 v1(4.87,-1.27) ; v1(25.159,-0.992) 25.159,-2.969 J1.17 ; R13.2 R12.2 59.659,-17.892 v1(60.459,-17.892)
VMID: C20.2 R9.2 U1.9 | length 6.5
  Top Layer w0.3: C20.2@50.022,-19.548 50.759,-18.811 50.759,-16.796 51.839,-15.716 52.218,-15.337 U1.9
  Top Layer w0.5: R9.2@50.022,-20.698 C20.2 C20.2@50.022,-19.723
pads on no net: U1.2 U1.12 U1.13 U1.19 U1.20 U1.21 U1.22 U2.1 U2.2 U2.3 U2.7 U2.9

## Polygon pours and split planes (outlines as drawn)
VCC on Top Layer "VCC_L01_P006" (solid, remove dead copper, pour order 6): 39.09,-3.279 39.09,-4.3 39.39,-4.6 43.59,-4.6 46.878,-4.6 47.069,-4.791 48.35,-6 50.361,-6 50.388,-8.348 51.735,-9.695 52.69,-9.695 52.69,-9.092 53.872,-9.092 54.2,-8.703 54.2,-7.6 53.228,-6.628 53.228,-6.376 51.577,-4.683 49.594,-2.7 42.24,-2.7 41.09,-3.85 40.14,-3.85 39.569,-3.279
VCC on Top Layer "VCC_L01_P012" (solid, remove dead copper, pour order 12): 59.99,-8.317 62.059,-8.317 62.459,-8.717 62.459,-17.531 61.79,-18.2 60.19,-18.2 59.99,-18 59.99,-15.9 59.69,-15.6 58.99,-15.6 58.79,-15.4 58.79,-15 58.99,-14.8 60.59,-14.8 61.19,-14.2 61.19,-9.7 60.89,-9.4 60.19,-9.4 59.99,-9.2
GND on Top Layer "GND_L01_P025" (solid, remove dead copper, pour order 25): 39.259,-27.99 39.259,-1.992 -0.997,-1.992 -1.999,-0.99 cw(c-2,2.01) -2,5.01 60.01,5.01 cw(c60.01,2.02) 63,2.02 63,-24.99 cw(c60,-24.99) 60,-27.99
GND on Bottom Layer "GND_L04_P019" (solid, remove dead copper, pour order 19): 39.259,-27.99 39.259,-1.992 -0.997,-1.992 -1.999,-0.99 cw(c-2,2.01) -2,5.01 60.01,5.01 cw(c60.01,2.02) 63,2.02 63,-24.99 cw(c60,-24.99) 60,-27.99
GND on Bottom Layer "GND" (solid, pour order 23): 3.009,-27.492 38.959,-27.492 38.959,-4.992 3.009,-4.992
no net on Top Overlay "NONET_L-01_P-001" (none): 24.292,-20.641
no net on Top Overlay "NONET_L-01_P-001" (none): 24.216,-21.046
no net on Top Overlay "NONET_L-01_P-001" (none): 24.216,-21.046
no net on Top Overlay "NONET_L-01_P-001" (none): 24.215,-21.044
GND on Signal Layer 2 "GND_L02_P015" (solid, remove dead copper, pour order 15): 39.259,-27.99 39.259,-1.992 -0.997,-1.992 -1.999,-0.99 cw(c-2,2.01) -2,5.01 60.01,5.01 cw(c60.01,2.02) 63,2.02 63,-24.99 cw(c60,-24.99) 60,-27.99

## Other copper
Top Layer:
  region net IRQ: 58.759,-13.688 60.959,-13.688 60.959,-14.592 59.325,-14.575 58.75,-14
  pour cut-out: 53.205,-19.437 53.788,-19.437 53.788,-20.299
Bottom Layer:
  pour cut-out: 9.759,-11.492 9.759,-20.992 32.509,-20.992 32.509,-11.492
  pour cut-out: 10.259,-15.492 2.759,-15.492 2.759,-16.992 10.259,-16.992

## Silkscreen, mask and mechanical layers (free items; w line width, h text height)
Top Overlay:
  drawing of 2279 lines, arcs and shapes, not listed
Bottom Overlay:
  drawing of 886 lines, arcs and shapes, not listed
  text "SPI" at 57.613,-6.037 h1.2
  text "devmpd_v1" at -1.95,-9.4 h1.4 r90
  text "UART" at 57.613,-9.837 h1.2
  text "I2C" at 57.613,-12.537 h1.2
  text "IRQ" at 57.613,-14.437 h1.2
  text "0 OHM RESISTOR" at 51.75,-14.5 h1.2
  text "I2C" at 44.125,-15.757 h1.2
  text "SPI" at 46.25,-15.757 h1.2
  text "UART" at 49.5,-15.75 h1.2
  text "SEL1" at 57.613,-16.337 h1.2
  text "N" at 43.665,-17.006 h1.2
  text "Y" at 45.811,-17.006 h1.2
  text "N" at 48.398,-17.006 h1.2
  text "R13" at 51.75,-17 h1.2
  text "N" at 43.665,-18.255 h1.2
  text "Y" at 45.811,-18.255 h1.2
  text "Y" at 48.447,-18.255 h1.2
  text "R18" at 51.751,-18.25 h1.2
  text "SEL0" at 57.613,-18.937 h1.2
  text "GND" at 46.762,-24.133 h1.2
  text "SCL" at 49.168,-24.133 h1.2
  text "SDA" at 51.787,-24.133 h1.2
  text "3V" at 53.878,-24.128 h1.2
Mechanical 5:
  lines w0.15: 3.259,-27.492 3.259,-4.992 39.009,-4.992 39.009,-27.492 3.259,-27.492
  lines w1.016: 36.759,-16.492 36.759,-7.242 5.509,-7.242 5.509,-25.242 36.759,-25.242 36.759,-15.992 ; 38.259,-17.742 38.259,-26.742 4.009,-26.742 4.009,-5.742 38.259,-5.742 38.259,-14.742 ; 7.009,-23.742 35.259,-23.742 35.259,-8.742 7.009,-8.742 7.009,-23.742 ; 8.509,-22.242 33.759,-22.242 33.759,-15.492 33.759,-10.242 8.509,-10.242 8.509,-22.242
Borda:
  lines w0.15: -2,-27.99 cw(c-2,-24.99) -5,-24.99 -5,2.01 cw(c-2,2.01) -2,5.01 ; -2,-27.99 -2,-27.99 ; -2,-27.99 60,-27.99 ccw(c60,-24.99) 63,-24.99 ; -2,5.01 60.01,5.01 ; -2,5.01 -2,5.01 ; 60.01,5.01 cw(c60.01,2.02) 63,2.02 63,-24.99 ; 60.01,5.01 60.01,5.01 ; 63,-24.99 63,-24.99
Route Tool Path:
  lines w2: -6,-15.742 -6,-24.986 ; -6,-10.242 -6,2.01 cw(c-2,2.01) -2.003,6.01 ; 3.259,6.01 -2,6.01 ; 8.759,6.01 60.007,6.01 ; 48.259,-28.99 -1.998,-28.99 ; 53.759,-28.99 60,-28.99 ccw(c60,-24.99) 64,-24.99 ; -6,-24.99 cw(c-5,-24.99) -6,-24.986 ; -6,-24.99 ccw(c-2,-24.99) -2,-28.99 ; -6,-24.99 -6,-24.986 ; -2.003,6.01 cw(c-2,5.01) -2,6.01 ; -2.003,6.01 cw(c-2,2.01) -2,6.01 ; -2.003,6.01 cw(c-2,5.01) -2,6.01 ; -2,-28.99 ccw(c-2,-27.99) -1.998,-28.99 ; -2,-28.99 ccw(c-2,-27.99) -1.998,-28.99 ; -2,-28.99 -1.998,-28.99 ; 60.007,6.01 cw(c60.01,5.01) 60.01,6.01 ; 60.007,6.01 cw(c60.01,5.01) 60.01,6.01 ; 60.007,6.01 60.01,6.01 ; 60.01,6.01 cw(c60.01,2.02) 64,2.02 64,-24.988 ; 64,-24.99 ccw(c63,-24.99) 64,-24.988 ; 64,-24.99 ccw(c63,-24.99) 64,-24.988 ; 64,-24.99 64,-24.988
Mechanical 13:
  the board outline again, w1
Mechanical 15:
  lines w0.013: 28.92,-0.42 28.92,0.58
  lines w0.05: 28.42,0.08 29.42,0.08 ; 28.92,-0.42 28.92,0.58

## Dimensions
0,-23 to 58,-23 on Mechanical 1
58,-23 to 58,0 on Mechanical 1